# Altium PCB MEGAphone.PcbDoc (part 1 of 5) (continued)
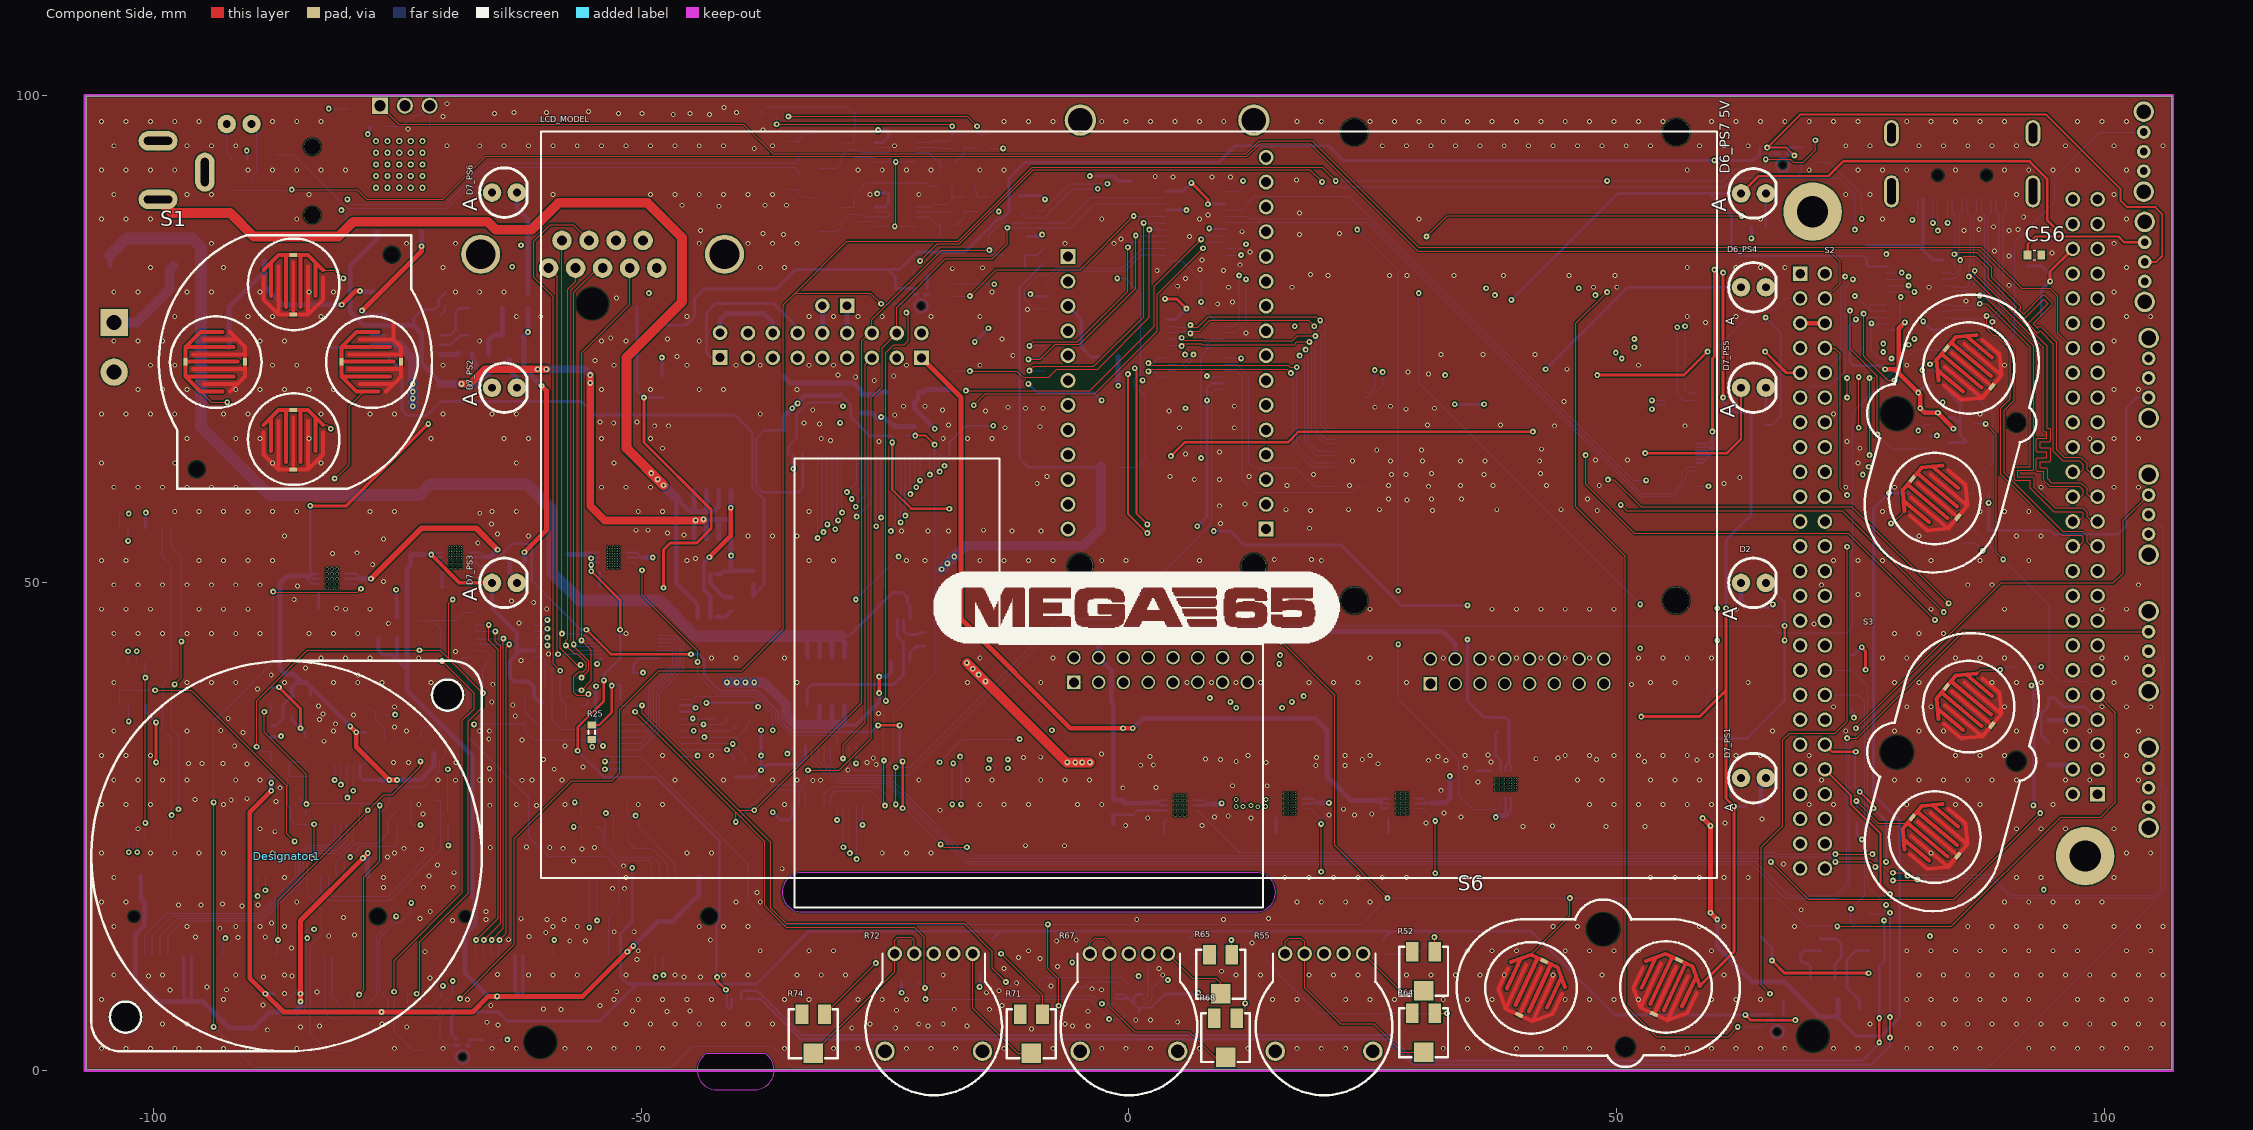
[diagram p0: Component Side view]
## Components (designator, comment, footprint, x,y, rotation, side; value= is the part's Value field where it differs from the comment) (continued)
C52 "100nF" "0603_CAP UF HD" 92.8,80 r0 bottom
C53 "100nF" "0603_CAP UF HD" 74.9,84.6 r180 bottom
C54 "100nF" "0603_CAP UF HD" 74.925,82.425 r180 bottom
C55 "100nF" "0603_CAP UF HD" 92.1,81.775 r90 bottom
C56 "100nF" "0603_CAP UF HD" 92.8,83.6 r0 top
C57 "100nF" "0603_CAP UF HD" -70,79.1 r90 bottom
C58 "220nF" "0603_CAP UF HD" -67.6,72.055 r0 bottom
C59 "1uF" "0603_CAP UF HD" -20.907,44.215 r270 bottom
C60 "10uF" "0603_CAP UF HD" -23.407,47.883 r180 bottom
C61 "100nF" "0603_CAP UF HD" -72.3,96.8 r180 bottom
CM1 "Raspberry Pi Compute Module 4" CM4-F40C-100DS-0.4v_1.5mm_0mm 39.6,72.2 r0 bottom locked
D1_M1 "BAV170" SOT-23 -85.09,29.062 r0 bottom (schematic designator D1)
D1_M2 "BAV170" SOT-23 -71.612,43.942 r270 bottom (schematic designator D1)
D2 "#NAME?" "LED 3mm Red" 64,50 r180 top locked
D3 "#NAME?" "LED 3mm Red" -91.186,97.028 r180 bottom
D4 "MBR0540" ONSC-SOD-123-2-425-04_V -23.225,69.551 r0 bottom
D5 "MM3Z24VT1G" ONSC-SOD-323-2-477-02_V -21.955,67.138 r90 bottom
D6_PS4 "#NAME?" "LED 3mm Red" 64,80.3 r180 top (schematic designator D6)
"D6_PS7 5V" "#NAME?" "LED 3mm Red" 64.008,89.916 r180 top (schematic designator D6)
D7_PS1 "#NAME?" "LED 3mm Red" 64,30 r180 top locked (schematic designator D7)
D7_PS2 "#NAME?" "LED 3mm Red" -64,70 r180 top locked (schematic designator D7)
D7_PS3 "#NAME?" "LED 3mm Red" -64,50 r180 top locked (schematic designator D7)
D7_PS5 "#NAME?" "LED 3mm Red" 64,70 r180 top locked (schematic designator D7)
D7_PS6 "#NAME?" "LED 3mm Red" -64,90 r180 top locked (schematic designator D7)
D8 "BAV170" SOT-23 73.787,6.35 r90 bottom
D9 "SB1045" FP-95570-MFG -89.64,85.765 r180 bottom
D10 "SB1045" FP-95570-MFG -74.7,80.9 r90 bottom
D11 "SB1045" FP-95570-MFG -1.82,64.63 r180 bottom
D12 "SB1045" FP-95570-MFG -2.1,75.96 r180 bottom
D13 "5V Zener" ONSC-SMA-FL-2-403AA-01_V 0.24,93.305 r90 bottom
Designator1 "Comment" Speaker -86.331,22 r90 top locked
DS1 "LED" 3.2X1.6X1.1 -65.965,75.4 r180 bottom
DS2 "LED" 3.2X1.6X1.1 -65.965,78.15 r180 bottom
ESP1 "Header 8X2" HDR2X8 -21.26,73.06 r180 bottom
F1 "10A" "FUSE OMF125" -101.168,82.498 r180 bottom
F2_FA "PTC" "0603-RESISTOR HD" -33.851,91.094 r90 bottom (schematic designator F2)
F2_FB "PTC" "0603-RESISTOR HD" -33.851,94.523 r270 bottom (schematic designator F2)
J1_M1 "uSIM Card" "CONNECTOR MSIM MOLEX 1046421610" -98.044,30.192 r270 bottom (schematic designator J1)
J1_M2 "uSIM Card" "CONNECTOR MSIM MOLEX 1046421610" -98.104,48.367 r270 bottom locked (schematic designator J1)
J2 "SJ-43515TS-SMT" "SOCKET 3.5 TRRS CUI_SJ-43515TS-SMT" -83.7,94.7 r270 bottom
J3 "D Connector 9" "DB9 Right Angle Through-Hole Male" -48.393,82.26 r180 bottom
J4 "HDMI Connector" A35071TR-ND 85.4,94.4 r0 bottom locked
L1 "Inductor" TDK-SLF-6025-2_V -35.4,68.408 r90 bottom value=10uH
L2_PS4 "Inductor" 252012 5.002,32.506 r180 bottom value=1uH (schematic designator L2)
"L2_PS7 5V" "Inductor" 252012 44.102,29.288 r90 bottom value=1uH (schematic designator L2)
L3_PS1 "Inductor" 252012 16.483,32.726 r180 bottom value=1uH (schematic designator L3)
L3_PS2 "Inductor" 252012 -81.661,55.753 r180 bottom value=1uH (schematic designator L3)
L3_PS3 "Inductor" 252012 -69,57.956 r180 bottom value=1uH (schematic designator L3)
L3_PS5 "Inductor" 252012 -52.832,57.934 r180 bottom value=1uH (schematic designator L3)
L3_PS6 "Inductor" 252012 27.969,32.731 r180 bottom value=1uH (schematic designator L3)
L4 "12uH" WE-PD-L -87.26,74.1 r0 bottom
LCD_MODEL "Comment" LCD 0,58 r0 top locked
LS1 "SPEAKER" HDR1X2 -28.88,78.392 r180 bottom
LS2 "Speaker" HDR1X2 -41.9,73.1 r90 bottom
M3 "AOD4185" FP-C04-189-MFG -74.786,90.477 r180 bottom
P1 "EXT_PWR" "DCPOWER - P0620" -99.5,89.3 r0 bottom
P3 "Digitiser Jumper" "CONNECTOR FPC MOLEX 51281-0694" -40.461,7.366 r0 bottom
Q1_M1 "MUN5133T1G" "SC70-3 (SOT-323)" -77.216,34.036 r90 bottom (schematic designator Q1)
Q1_M2 "MUN5133T1G" "SC70-3 (SOT-323)" -60.958,38.354 r270 bottom (schematic designator Q1)
Q2_M1 "MUN5233T1G" "SC70-3 (SOT-323)" -77.216,36.576 r90 bottom (schematic designator Q2)
Q2_M2 "MUN5233T1G" "SC70-3 (SOT-323)" -60.96,35.56 r270 bottom (schematic designator Q2)
Q3 "N-MOSFET_S08" SOIC-8-H_SLDR -31.065,39.9 r90 bottom locked
Q4 "N-MOSFET_S08" SOIC-8-H_SLDR -42.672,56.983 r270 bottom locked
Q5 "BSS138LT3G" SOT-23 60.2,35.2 r0 bottom
Q6 "BSS138LT3G" SOT-23 -90.879,91.165 r90 bottom
Q7 "MUN5133T1G" "SC70-3 (SOT-323)" 83.058,66.929 r90 bottom
Q8 "MUN5133T1G" "SC70-3 (SOT-323)" 83.058,64.389 r90 bottom
Q9 "MUN5133T1G" "SC70-3 (SOT-323)" 83.058,69.535 r90 bottom
Q10 "MUN5233T1G" "SC70-3 (SOT-323)" 86.487,65.405 r180 bottom
Q11 "MUN5233T1G" "SC70-3 (SOT-323)" -9.779,7.62 r0 bottom
Q12 "MUN5233T1G" "SC70-3 (SOT-323)" -6.081,7.62 r0 bottom
R1_M1 "15k" "0603-RESISTOR HD" -74.295,25.269 r0 bottom (schematic designator R1)
R1_M2 "15k" "0603-RESISTOR HD" -52.07,26.157 r180 bottom (schematic designator R1)
R2_M1 "22R" "0603-RESISTOR HD" -74.299,26.547 r180 bottom (schematic designator R2)
R2_M2 "22R" "0603-RESISTOR HD" -52.07,23.876 r0 bottom (schematic designator R2)
R3_M1 "22R" "0603-RESISTOR HD" -70.485,24.003 r180 bottom (schematic designator R3)
R3_M2 "22R" "0603-RESISTOR HD" -55.31,26.157 r0 bottom (schematic designator R3)
R4_M1 "22R" "0603-RESISTOR HD" -70.485,27.813 r180 bottom (schematic designator R4)
R4_M2 "22R" "0603-RESISTOR HD" -55.326,25.019 r0 bottom (schematic designator R4)
R5_M1 "10k" "0603-RESISTOR HD" -72.5,33.3 r270 bottom (schematic designator R5)
R5_M2 "10k" "0603-RESISTOR HD" -66.95,39.7 r180 bottom (schematic designator R5)
R6_M1 "10k" "0603-RESISTOR HD" -85.09,26.195 r180 bottom (schematic designator R6)
R6_M2 "10k" "0603-RESISTOR HD" -69.342,46.863 r270 bottom (schematic designator R6)
R7_M1 "100k" "0603-RESISTOR HD" -84.328,32.387 r90 bottom (schematic designator R7)
R7_M2 "100k" "0603-RESISTOR HD" -72.771,46.863 r90 bottom (schematic designator R7)
R8 "100k" "0603-RESISTOR HD" 93.5,33.624 r0 bottom
R9 "100k" "0603-RESISTOR HD" 93.5,38.224 r0 bottom
R10 "100k" "0603-RESISTOR HD" 93.5,35.924 r0 bottom
R11 "100k" "0603-RESISTOR HD" 93.5,31.324 r0 bottom
R12 "10k" "0603-RESISTOR HD" 74.041,41.849 r270 bottom
R13 "10k" "0603-RESISTOR HD" 74.041,37.719 r90 bottom
R14 "220R" "0603-RESISTOR HD" 64.008,47.498 r180 bottom
R15 "220R" "0603-RESISTOR HD" -91.141,93.428 r180 bottom
R16_FA "0R" "0603-RESISTOR HD" -18.103,88.808 r270 bottom (schematic designator R16)
R16_FB "0R" "0603-RESISTOR HD" -18.103,95.285 r270 bottom (schematic designator R16)
R17_FA "1k3" "0603-RESISTOR HD" -14.305,88.808 r270 bottom (schematic designator R17)
R17_FB "1k3" "0603-RESISTOR HD" -14.293,95.285 r270 bottom (schematic designator R17)
R18_FA "10k" "0603-RESISTOR HD" -15.526,88.796 r270 bottom (schematic designator R18)
R18_FB "10k" "0603-RESISTOR HD" -15.563,95.285 r270 bottom (schematic designator R18)
R19_FA "2k" "0603-RESISTOR HD" -15.055,90.713 r0 bottom (schematic designator R19)
R19_FB "2k" "0603-RESISTOR HD" -33.528,97.79 r0 bottom (schematic designator R19)
R20_FA "10k7" "0603-RESISTOR HD" -18.611,86.776 r0 bottom (schematic designator R20)
R20_FB "10k7" "0603-RESISTOR HD" -18.611,93.253 r0 bottom (schematic designator R20)
R21_FA "26k1" "0603-RESISTOR HD" -18.738,90.713 r0 bottom (schematic designator R21)
R21_FB "26k1" "0603-RESISTOR HD" -36.83,97.79 r0 bottom (schematic designator R21)
R22_FA "26k1" "0603-RESISTOR HD" -28.136,87.792 r270 bottom (schematic designator R22)
R22_FB "26k1" "0603-RESISTOR HD" -28.136,94.396 r270 bottom (schematic designator R22)
R23_FA "2k" "0603-RESISTOR HD" -34.994,91.094 r90 bottom (schematic designator R23)
R23_FB "2k" "0603-RESISTOR HD" -34.994,94.523 r270 bottom (schematic designator R23)
R24_FA "10k DNL" "0603-RESISTOR HD" -19.373,88.808 r90 bottom (schematic designator R24)
R24_FB "10k DNL" "0603-RESISTOR HD" -19.366,95.285 r90 bottom (schematic designator R24)
R25 "10k" "0603-RESISTOR HD" -55.05,34.686 r90 top
R26 "10k" "0603-RESISTOR HD" -42.278,36.957 r270 bottom
R27 "10k" "0603-RESISTOR HD" -41.148,36.957 r270 bottom
R28 "10k" "0603-RESISTOR HD" -40.005,36.957 r270 bottom
R29 "10k" "0603-RESISTOR HD" -38.862,36.957 r270 bottom
R30 "10k" "0603-RESISTOR HD" -39.301,30.873 r90 bottom
R31 "10k" "0603-RESISTOR HD" -40.444,30.873 r90 bottom
R32 "10k" "0603-RESISTOR HD" 92,41.4 r180 bottom
R33 "10k" "0603-RESISTOR HD" 74.6,26.2 r90 bottom
R34 "10k" "0603-RESISTOR HD" -57.531,39.004 r0 bottom
R35 "10k" "0603-RESISTOR HD" -57.531,40.3 r0 bottom
R36 "10k" "0603-RESISTOR HD" -56.926,37.454 r0 bottom
R37 "10k" "0603-RESISTOR HD" -57.531,41.6 r0 bottom
R38 "10k" "0603-RESISTOR HD" -56.926,35.926 r0 bottom
R39 "220R" "0603-RESISTOR HD" 66.43,7.112 r0 bottom
R40 "220R" "0603-RESISTOR HD" -65.405,3.197 r180 bottom
R41 "220R" "0603-RESISTOR HD" 70.358,93.853 r90 bottom
R42 "220R" "0603-RESISTOR HD" 69,93.853 r90 bottom
R43 "220R" "0603-RESISTOR HD" -21.256,81.567 r0 bottom
R44 "10k" "0603-RESISTOR HD" 87.35,59.21 r180 bottom
R45 "10k" "0603-RESISTOR HD" 87.35,55.4 r180 bottom
R46 "12R" "0805 Reflow" -24.114,67.138 r90 bottom
R47_PS4 "1M24" "0603-RESISTOR HD" -1.6,26.982 r270 bottom (schematic designator R47)
"R47_PS7 5V" "1M24" "0603-RESISTOR HD" 37.74,35.477 r270 bottom (schematic designator R47)
R48_PS4 "137k" "0603-RESISTOR HD" -1.6,24.47 r270 bottom (schematic designator R48)
"R48_PS7 5V" "137k" "0603-RESISTOR HD" 36.851,33.415 r180 bottom (schematic designator R48)
R49_PS4 "220R" "0603-RESISTOR HD" 64.5,66.2 r180 bottom (schematic designator R49)
"R49_PS7 5V" "220R" "0603-RESISTOR HD" 64.516,86.487 r180 bottom (schematic designator R49)
R50_PS1 "220R" "0603-RESISTOR HD" 64.008,27.13 r180 bottom (schematic designator R50)
R50_PS2 "220R" "0603-RESISTOR HD" -62.73,72.91 r0 bottom (schematic designator R50)
R50_PS3 "220R" "0603-RESISTOR HD" -62.705,52.197 r0 bottom (schematic designator R50)
R50_PS5 "220R" "0603-RESISTOR HD" 64.516,67.437 r180 bottom (schematic designator R50)
R50_PS6 "220R" "0603-RESISTOR HD" -61.6,78.9 r270 bottom (schematic designator R50)
R51 "1k" "0603-RESISTOR HD" 26.1,12.75 r270 bottom
R52 "RPot SM" POT4MM-2 30.2,10.2 r270 top
R53 "10k" "0603-RESISTOR HD" -22.55,9.1 r0 bottom
R54 "10k" "0603-RESISTOR HD" -14.498,9.9 r0 bottom
R55 "50k" "POT 10P2VF-D-141Y" 20,12 r180 top locked
R56 "1k" "0603-RESISTOR HD" 6.2,12.75 r270 bottom
R57 "178kΩ" 1608[0603] -38.5,50.547 r90 bottom
R58 "2kΩ" 1608[0603] -65.627,72.711 r270 bottom
R59 "45.3kΩ" 1608[0603] -38.5,48.018 r90 bottom
R60 "40mΩ" "0603-RESISTOR HD" -78.6,74.9 r90 bottom
R61 "120Ω" 1608[0603] -67.992,73.543 r180 bottom
R62 "220R" "0603-RESISTOR HD" -77,96.8 r0 bottom
R63 "500KΩ" "0603-RESISTOR HD" -8.8,83.45 r90 bottom
R64 "20K" POT4MM-2 30.2,3.9 r270 top
R65 "20K" POT4MM-2 9.4,9.9 r270 top locked
R66 "1k" "0603-RESISTOR HD" 13.347,12 r180 bottom
R67 "50k" "POT 10P2VF-D-141Y" 0,12 r180 top locked
R68 "20K" POT4MM-2 9.9,3.4 r270 top
R69 "1k" "0603-RESISTOR HD" -6.592,12 r180 bottom
R70 "1k" "0603-RESISTOR HD" -13.97,12.75 r270 bottom
R71 "20K" POT4MM-2 -10,3.8 r270 top
R72 "50k" "POT 10P2VF-D-141Y" -20,12 r180 top locked
R73 "1k" "0603-RESISTOR HD" 74.3,10 r0 bottom
R74 "RPot SM" POT4MM-2 -32.35,3.8 r270 top
R75 "1k" "0603-RESISTOR HD" -26.682,12 r180 bottom
R76 "10k" "0603-RESISTOR HD" -23.5,65.1 r0 bottom
R77 "500KΩ" "0603-RESISTOR HD" -11.4,82.3 r180 bottom
R78 "10k" "0603-RESISTOR HD" 76.125,73 r270 bottom
R79 "10k" "0603-RESISTOR HD" 74.925,73 r270 bottom
R80 "10k" "0603-RESISTOR HD" -11.2,88.85 r270 bottom
R81 "10k" "0603-RESISTOR HD" -9.5,88.95 r270 bottom
RF1 "RFD900" RFD900 -5.64,39.8 r180 bottom
RF2 "RFD900" RFD900 30.9,39.66 r180 bottom locked
S1 "DPAD" "DPAD Gameboy V2" -85.534,72.644 r0 top locked
S2 "Button" "Buttons Gameboy v2"#1 84.328,65.3 r345 top
S3 "Button" "Buttons Gameboy v2"#2 84.328,30.603 r345 top locked
S4 "SW-SPDT" "Switch SPDT OS102011MA1Q" 104.5,71 r270 bottom locked
S5 "SW-SPDT" "Switch SPDT OS102011MA1Q" 104.5,57 r270 bottom locked
S6 "Button" "Buttons Gameboy v2"#3 48.092,8.531 r270 top
S7 "SW-SPDT" "Switch SPDT OS102011MA1Q" 104.5,43 r270 bottom locked
S8 "SW-SPDT" "Switch SPDT OS102011MA1Q" 104.1,82.9 r270 bottom
S9 "SW-SPDT" "Switch SPDT OS102011MA1Q" 104.5,29 r270 bottom locked
S10 "SW-SPDT" "Switch SPDT OS102011MA1Q" 104,94.2 r270 bottom
U1_M1 "4G_Modem" "CONNECTOR MINI PCIE MOLEX_67910001" -72.948,10 r180 bottom locked (schematic designator U1)
U1_M2 "4G_Modem" "CONNECTOR MINI PCIE MOLEX_67910001" -39,10 r180 bottom locked (schematic designator U1)
U2_M1 "TXB0106PWR" TSSOP-16 -83.8,4.4 r180 bottom (schematic designator U2)
U2_M2 "TXB0106PWR" TSSOP-16 -75.1,4.4 r180 bottom (schematic designator U2)
U3_M1 "MIC5504" SOT-23-5 -84.836,37.338 r0 bottom (schematic designator U3)
U3_M2 "MIC5504" SOT-23-5 -75.954,45.394 r180 bottom (schematic designator U3)
U4_M1 "TXB0106PWR" TSSOP-16 -80.432,28.319 r90 bottom (schematic designator U4)
U4_M2 "TXB0106PWR" TSSOP-16 -64.008,44.704 r0 bottom (schematic designator U4)
U5 "AMC1203PSA" AMC1203 -48.494,74.754 r270 bottom
U7 "CN3791" SSOP10 -73.382,75.4 r270 bottom
U8 "LM74610-Q1" TI-DGK8_V -23.407,44.12 r90 bottom
U9 "TE0725" "TRENZ TE-0725" 98,22 r180 bottom locked
U10 "S70FL01GS" S70FL01GS -13.2,76.2 r180 bottom
U11_FA "AD8592ARMZ-REEL" ADI-RM-10_M -23.945,87.538 r180 bottom (schematic designator U11)
U11_FB "AD8592ARMZ-REEL" ADI-RM-10_M -23.945,94.142 r180 bottom (schematic designator U11)
U12 "PCA9535" PW0024A_M -49.02,34.522 r180 bottom locked
U13 "PCA9535" PW0024A_M 6.85,86.575 r180 bottom
U14 "PCA9535" PW0024A_M -30.88,30.228 r270 bottom locked
U15 "SN74LVC245APWT" DGV20_M -51.155,44.091 r0 bottom
U16 "SPW0690LM4H" "MICROPHONE MEMS SPW0690LM4H-1"#1 66.43,4 r180 bottom
U17 "SPW0690LM4H" "MICROPHONE MEMS SPW0690LM4H-1"#2 -68.286,1.419 r180 bottom
U18 "SPW0690LM4H" "MICROPHONE MEMS SPW0690LM4H-1"#3 67,92.837 r180 bottom
U19 "SPW0690LM4H" "MICROPHONE MEMS SPW0690LM4H-1"#1 -21.299,78.392 r180 bottom
U20 "SN74HC74" SOIC-14 82.7,55.4 r180 bottom
U21 "FAN5333BSX" SOT-23-5 -28.5,68.349 r270 bottom
U22_PS4 "TPS63020DSJT" DSJ14-4000X1580TP_V 5.235,27.2 r0 bottom (schematic designator U22)
"U22_PS7 5V" "TPS63020DSJT" DSJ14-4000X1580TP_V 38.617,29.348 r270 bottom (schematic designator U22)
U23_PS1 "TPS63021" DSJ14-4000X1580TP_V 16.483,27.392 r0 bottom (schematic designator U23)
U23_PS2 "TPS63021" DSJ14-4000X1580TP_V -81.661,50.419 r0 bottom (schematic designator U23)
U23_PS3 "TPS63021" DSJ14-4000X1580TP_V -69,52.622 r0 bottom (schematic designator U23)
U23_PS5 "TPS63021" DSJ14-4000X1580TP_V -52.832,52.6 r0 bottom (schematic designator U23)
U23_PS6 "TPS63021" DSJ14-4000X1580TP_V 27.969,27.397 r0 bottom (schematic designator U23)
U24 "LIS3DH" LGA-16_3x3x1mm 0,7.366 r270 bottom locked
U25 "PCF8563T/F4,112" SOIC-8-H_SLDR 73.351,14.224 r0 bottom
U26 "LCD Connector" "CONNECTOR FPC 40 PIN TE 4-1734839-0" -25.157,62.268 r0 bottom locked
U27 "TPD12S016PWR" SOP65P640X120-24N 80.5,79.5 r0 bottom
U28 "TPD12S016PWR" SOP65P640X120-24N 6.8,73.4 r180 bottom
U29 "FEATHER_M0_BASIC_PROTO" MODULE_FEATHER_M0_BASIC_PROTO 3.91,74.56 r270 bottom
U30 "TSOP38238" VISH-TSOP38238 -74.2,98.9 r0 bottom
U31 "MCP3021A1T-E/OT" SOT-23-OT5_M -11.65,84.556 r180 bottom
U32 "LM74610-Q1" TI-DGK8_V -43.221,48.682 r90 bottom
W1_M1 "M2_1V8" "0603-RESISTOR HD" -87.874,38.53 r270 bottom (schematic designator W1)
W1_M2 "M2_1V8" "0603-RESISTOR HD" -87.874,33.48 r270 bottom (schematic designator W1)
W2_M1 "M2_3V3" "0603-RESISTOR HD" -87.874,36.13 r90 bottom (schematic designator W2)
W2_M2 "M2_3V3" "0603-RESISTOR HD" -87.874,30.88 r90 bottom (schematic designator W2)
Y1 "32.7680KHZ" FC-135 71.1,9.5 r180 bottom

## Footprints (in the part's own frame and the unit in brackets; to place one, negate y for a bottom-side part, rotate by r counter-clockwise, add the part's x,y. Pads: shape width x height; smd on the part's side, far side on the other; paste and mask are expansions set on the pad)
3.2X1.6X1.1 [mm] "SMT LED; 2 Flat Leads"
  rect 1.5x1.5 smd: 1(-1.75,0) 2(1.75,0)
  silkscreen extent -2.9,-1.15 3.2,1.15
"0603-RESISTOR HD" [mm] "Chip Resistor, Body 1.6x0.8mm, IPC High Density"
  rect 0.7x0.9 smd: 1(-0.75,0) 2(0.75,0)
  silkscreen extent -0.18,-0.36 0.18,0.36, body extent -0.85,-0.48 0.85,0.48, height 0.6
"0603_CAP PF HD" [mm] "Chip Capacitor, Body 1.6x0.8mm, IPC High Density"
  rect 0.8x0.9 smd: 1(-0.7,0) 2(0.7,0)
  silkscreen extent -0.13,-0.51 0.13,0.51, body extent -0.87,-0.48 0.87,0.48, height 0.35
"0603_CAP UF HD" [mm] "Chip Capacitor, Body 1.6x0.8mm, IPC High Density"
  rect 0.8x0.9 smd: 1(-0.7,0) 2(0.7,0)
  silkscreen extent -0.13,-0.51 0.13,0.51, body extent -0.87,-0.48 0.87,0.48, height 0.8
"0805 Reflow" [mm]
  rect 0.8x1.3 smd: 1(-0.95,0) 2(0.95,0)
  silkscreen extent -0.3,-0.7 0.3,0.7, body extent -1,-0.63 1,0.63, height 0.5
"0805 Reflow Cap" [mm]
  rect 1x1.3 smd: 1(-1.15,0) 2(1.15,0)
  silkscreen extent -0.4,-0.7 0.4,0.7, body extent -1,-0.63 1,0.63, height 1
"1210-CAPACITOR UF" [mm] "Body 3.2 x 2.5 mm (LxW typ)"
  rect 2x2.7 smd: 1(-1.8,0) 2(1.8,0)
  silkscreen extent -0.3,-1.25 0.3,1.25, body extent -1.8,-1.3 1.8,1.3, height 2.5
1608[0603] [mm] "Chip Capacitor, Body 1.6x0.8mm, IPC High Density"
  rect 0.8x0.9 smd: 1(-0.7,0) 2(0.7,0)
  body extent -0.87,-0.48 0.87,0.48, height 1.3
252012 [mm] "SMD Power Inductor, 2-Leads, Body 2.5x2.0mm"
  rect 0.85x2 smd: 1(-0.825,0) 2(0.825,0)
  body extent -1.25,-1 1.25,1, height 1.18
A35071TR-ND [mm]
  oval 0.3x2.6 smd: 1(4.5,5.035) 2(4,5.035) 3(3.5,5.035) 4(3,5.035) 5(2.5,5.035) 6(2,5.035) 7(1.5,5.035) 8(1,5.035) 9(0.5,5.035) 10(0,5.035) 11(-0.5,5.035) 12(-1,5.035) 13(-1.5,5.035) 14(-2,5.035) 15(-2.5,5.035) 16(-3,5.035) 17(-3.5,5.035) 18(-4,5.035) 19(-4.5,5.035)
  oval 1.5x3.3 hole 0.9 slot 2.7 at 90 deg: H1(7.25,4.275) H3(-7.25,4.275)
  oval 1.5x2.7 hole 0.9 slot 2.1 at 90 deg: H2(7.25,-1.685) H4(-7.25,-1.685)
  round 0 hole 1.1 unplated: H5(2.5,2.625) H6(-2.5,2.625)
  silkscreen extent -7.5,-0.12 7.5,6.27, body extent -7.5,-5.83 7.5,6.17, height 6.08
ADI-RM-10_M [mm] "SOP, 10-Leads, Body 3x3mm, Pitch 0.5mm, IPC Low Density"
  oval 2.1x0.3 smd: 1(-2.1,1) 2(-2.1,0.5) 3(-2.1,0) 4(-2.1,-0.5) 5(-2.1,-1) 6(2.1,-1) 7(2.1,-0.5) 8(2.1,0) 9(2.1,0.5) 10(2.1,1)
  silkscreen extent -2.23,-1.55 0.65,1.82, body extent -1.55,-1.55 1.55,1.55, height 1.1
AMC1203 [mm] "SOP, 8-Leads, Body 5.27x5.30mm, Pitch 1.27mm, IPC Medium Density"
  oval 1.7x0.65 smd: 1(-3.55,1.905) 2(-3.55,0.635) 3(-3.55,-0.635) 4(-3.55,-1.905) 5(3.55,-1.905) 6(3.55,-0.635) 7(3.55,0.635) 8(3.55,1.905)
  silkscreen extent -3.67,-2.65 2.3,2.9, body extent -3.95,-2.65 3.95,2.65, height 2
"Buttons Gameboy v2"#1 [mil]
  rect 32x16 smd rot 65 paste-118.11: 1(-110.57,326.56) 2(-106.76,-217.51) 3(110.75,-318.94) 4(106.94,225.13)
  round 0 hole 129.92: 27(-235,20)
  round 0 hole 74.8: ""(240,110)
  Component Side lines w16: -103.1,-351.62 -117.61,-311.75 ; -75.91,-364.3 5.66,-402.34 85.39,-373.31 ; -91.34,-290.9 85.39,-373.31 ; -79.57,-230.18 110.75,-318.94 ; 4.74,-368.81 -117.61,-311.75 ; -40.62,-182.15 136.11,-264.56 ; -106.91,192.45 -121.42,232.32 ; -1.67,-134.11 -41.54,-148.62 ; -79.72,179.77 1.85,141.73 9.2,144.41 81.58,170.76 ; -95.15,253.17 81.58,170.76 ; -110.44,326.84 -97.9,353.75 ; 70.88,-333.44 -119.44,-244.7 ; 25.52,-146.79 95.87,-179.59 107.09,-184.82 136.11,-264.56 ; -83.38,313.88 106.94,225.13 ; 96.24,-279.07 -94.08,-190.32 ; 80.81,-205.67 -41.54,-148.62 ; 0.93,175.26 -121.42,232.32 ; -44.43,361.92 132.3,279.51 ; -5.48,409.96 -45.35,395.45 ; 67.07,210.62 -123.25,299.37 ; 21.71,397.28 103.28,359.25 132.3,279.51 ; 92.43,265 -97.9,353.75 ; 77,338.4 -45.35,395.45 ; -117.61,-311.75 -122.19,-299.17 -132.12,-271.88 -119.44,-244.7 ; -119.44,-244.7 -106.76,-217.51 -94.08,-190.32 ; -94.08,-190.32 -81.41,-163.13 -41.54,-148.62 ; -121.42,232.32 -135.93,272.18 -123.25,299.37 ; -123.25,299.37 -110.58,326.55 ; -110.57,326.56 -110.57,326.56 ; -110.58,326.55 -110.57,326.56 ; 85.39,-373.31 110.75,-318.94 ; 85.39,-373.31 110.75,-318.94 ; -97.9,353.75 -85.22,380.94 -45.35,395.45 ; 110.75,-318.94 122.89,-292.89 136.11,-264.56 ; 81.58,170.76 106.94,225.13 ; 106.94,225.13 132.3,279.51
  silkscreen extent -355,-571 320,571
"Buttons Gameboy v2"#2 [mil]
  rect 32x16 smd rot 65 paste-118.11: 1(-110.57,326.56) 2(-106.76,-217.51) 3(110.75,-318.94) 4(106.94,225.13)
  round 0 hole 129.92: 27(-235,20)
  round 0 hole 74.8: ""(240,110)
  Component Side lines w16: -103.1,-351.62 -117.61,-311.75 ; -75.91,-364.3 5.66,-402.34 85.39,-373.31 ; -91.34,-290.9 85.39,-373.31 ; -79.57,-230.19 110.75,-318.94 ; 4.74,-368.81 -117.61,-311.75 ; -40.62,-182.15 136.11,-264.56 ; -106.91,192.45 -121.42,232.32 ; -1.67,-134.11 -41.54,-148.62 ; -79.72,179.77 1.85,141.73 9.2,144.41 81.58,170.75 ; -95.15,253.17 81.58,170.75 ; 70.88,-333.44 -119.44,-244.7 ; 25.52,-146.79 95.87,-179.59 107.09,-184.82 136.11,-264.56 ; -83.38,313.88 106.94,225.13 ; 96.24,-279.07 -94.08,-190.32 ; 80.81,-205.67 -41.54,-148.62 ; 0.93,175.26 -121.42,232.32 ; -44.43,361.92 132.3,279.51 ; -5.48,409.96 -45.35,395.45 ; 67.07,210.62 -123.25,299.37 ; 21.71,397.28 103.28,359.25 132.3,279.51 ; 92.43,265 -97.9,353.75 ; 77,338.4 -45.35,395.45 ; -117.61,-311.75 -122.19,-299.17 -132.12,-271.88 -119.44,-244.7 ; -119.44,-244.7 -106.76,-217.51 -94.08,-190.32 ; -94.08,-190.32 -81.41,-163.13 -41.54,-148.62 ; -121.42,232.32 -135.93,272.18 -123.25,299.37 ; -123.25,299.37 -110.57,326.56 ; -110.57,326.56 -97.9,353.75 ; -110.57,326.56 -110.57,326.56 ; 85.39,-373.31 110.75,-318.94 ; 85.39,-373.31 110.75,-318.94 ; -97.9,353.75 -85.22,380.94 -45.35,395.45 ; 110.75,-318.94 136.11,-264.56 ; 81.58,170.75 106.94,225.13 ; 106.94,225.13 132.3,279.51
  silkscreen extent -355,-571 320,571
"Buttons Gameboy v2"#3 [mil]
  rect 32x16 smd rot 65 paste-118.11: 1(-110.57,326.56) 2(-106.76,-217.51) 3(110.75,-318.93) 4(106.94,225.13)
  round 0 hole 129.92: 27(-235,20)
  round 0 hole 74.8: ""(240,110)
  Component Side lines w16: 4.74,-368.81 -26.95,-354.03 -54.92,-340.98 -87.09,-325.98 -117.61,-311.75 ; -75.91,-364.3 5.66,-402.33 85.39,-373.31 ; -103.1,-351.62 -106.97,-340.98 -112.43,-325.98 -117.61,-311.75 ; 70.88,-333.44 -119.44,-244.7 ; -91.34,-290.9 -80.44,-295.98 -31.34,-318.88 85.39,-373.31 ; 96.24,-279.07 -94.08,-190.32 ; -79.57,-230.18 110.75,-318.93 ; 80.81,-205.67 -41.54,-148.62 ; -40.62,-182.15 136.11,-264.55 ; 25.52,-146.78 95.87,-179.59 107.09,-184.82 136.11,-264.55 ; -1.67,-134.11 -41.54,-148.62 ; 0.93,175.26 -121.42,232.32 ; -79.72,179.77 1.85,141.73 9.2,144.41 81.58,170.76 ; -106.91,192.45 -121.42,232.32 ; 67.07,210.62 -123.25,299.37 ; -95.15,253.17 81.58,170.76 ; 92.43,265 -97.9,353.75 ; -83.39,313.88 106.94,225.13 ; 77,338.4 42.57,354.46 -45.35,395.45 ; -44.43,361.92 132.3,279.51 ; 21.71,397.28 103.28,359.25 132.3,279.51 ; -5.48,409.96 -6.65,409.54 -45.35,395.45 ; 85.39,-373.31 110.75,-318.93 ; 85.39,-373.31 110.75,-318.93 ; 110.75,-318.93 136.11,-264.55 ; -117.61,-311.75 -122.19,-299.17 -132.12,-271.88 -119.44,-244.7 ; -119.44,-244.7 -106.76,-217.51 -94.08,-190.32 ; -94.08,-190.32 -81.41,-163.13 -41.54,-148.62 ; 81.58,170.76 106.94,225.13 ; 106.94,225.13 132.3,279.51 ; -121.42,232.32 -135.93,272.18 -123.25,299.37 ; -123.25,299.37 -110.57,326.56 ; -110.57,326.56 -97.9,353.75 ; -110.57,326.56 -110.57,326.56 ; -97.9,353.75 -85.22,380.94 -45.35,395.45
  silkscreen extent -355,-571 320,571
"CAP Case D Tantalum" [mm] "Molded Capacitor, 2-Leads, Body 7.50x4.5mm"
  rect 2x3 smd: 1(-3,0) 2(3,0)
  silkscreen extent -4.67,-2.25 3.75,2.37, body extent -3.97,-2.25 3.97,2.25, height 3.1
"CAP SMD 10.5D 5.5H" [mm]
  rect 4.6x2.5 smd: 1(4.8,0) 2(-4.8,0)
  silkscreen extent -5.4,-5.4 7.5,5.4, body extent -5.4,-5.4 5.4,5.4, height 5.5
CAPC0805(2012)100_N [mm] "Chip Capacitor, Body 2.0x1.2mm, Height 1.0mm, IPC Medium Density"
  rect 1.15x1.45 smd: 1(-0.9,0) 2(0.9,0)
  silkscreen extent -0.05,-0.63 0.05,0.62, body extent -1.1,-0.72 1.1,0.73, height 1
CM4-F40C-100DS-0.4v_1.5mm_0mm [mm] "DF40C-100DS-0.4v by Amornthep Phunsin"
  round 2.7 hole 2.7: 0(-16.5,-24) 0(-16.5,24) 0(16.5,-24) 0(16.5,24)
  rect 0.7x0.2 smd: 1(18.5,-7.3) 2(15.42,-7.3) 3(18.5,-6.9) 4(15.42,-6.9) 5(18.5,-6.5) 6(15.42,-6.5) 7(18.5,-6.1) 8(15.42,-6.1) 9(18.5,-5.7) 10(15.42,-5.7) 11(18.5,-5.3) 12(15.42,-5.3) 13(18.5,-4.9) 14(15.42,-4.9) 15(18.5,-4.5) 16(15.42,-4.5) 17(18.5,-4.1) 18(15.42,-4.1) 19(18.5,-3.7) 20(15.42,-3.7) 21(18.5,-3.3) 22(15.42,-3.3) 23(18.5,-2.9) 24(15.42,-2.9) 25(18.5,-2.5) 26(15.42,-2.5) 27(18.5,-2.1) 28(15.42,-2.1) 29(18.5,-1.7) 30(15.42,-1.7) 31(18.5,-1.3) 32(15.42,-1.3) 33(18.5,-0.9) 34(15.42,-0.9) 35(18.5,-0.5) 36(15.42,-0.5) 37(18.5,-0.1) 38(15.42,-0.1) 39(18.5,0.3) 40(15.42,0.3) 41(18.5,0.7) 42(15.42,0.7) 43(18.5,1.1) 44(15.42,1.1) 45(18.5,1.5) 46(15.42,1.5) 47(18.5,1.9) 48(15.42,1.9) 49(18.5,2.3) 50(15.42,2.3) 51(18.5,2.7) 52(15.42,2.7) 53(18.5,3.1) 54(15.42,3.1) 55(18.5,3.5) 56(15.42,3.5) 57(18.5,3.9) 58(15.42,3.9) 59(18.5,4.3) 60(15.42,4.3) 61(18.5,4.7) 62(15.42,4.7) 63(18.5,5.1) 64(15.42,5.1) 65(18.5,5.5) 66(15.42,5.5) 67(18.5,5.9) 68(15.42,5.9) 69(18.5,6.3) 70(15.42,6.3) 71(18.5,6.7) 72(15.42,6.7) 73(18.5,7.1) 74(15.42,7.1) 75(18.5,7.5) 76(15.42,7.5) 77(18.5,7.9) 78(15.42,7.9) 79(18.5,8.3) 80(15.42,8.3) 81(18.5,8.7) 82(15.42,8.7) 83(18.5,9.1) 84(15.42,9.1) 85(18.5,9.5) 86(15.42,9.5) 87(18.5,9.9) 88(15.42,9.9) 89(18.5,10.3) 90(15.42,10.3) 91(18.5,10.7) 92(15.42,10.7) 93(18.5,11.1) 94(15.42,11.1) 95(18.5,11.5) 96(15.42,11.5) 97(18.5,11.9) 98(15.42,11.9) 99(18.5,12.3) 100(15.42,12.3) 101(-15.42,-7.3) 102(-18.5,-7.3) 103(-15.42,-6.9) 104(-18.5,-6.9) 105(-15.42,-6.5) 106(-18.5,-6.5) 107(-15.42,-6.1) 108(-18.5,-6.1) 109(-15.42,-5.7) 110(-18.5,-5.7) 111(-15.42,-5.3) 112(-18.5,-5.3) 113(-15.42,-4.9) 114(-18.5,-4.9) 115(-15.42,-4.5) 116(-18.5,-4.5) 117(-15.42,-4.1) 118(-18.5,-4.1) 119(-15.42,-3.7) 120(-18.5,-3.7) 121(-15.42,-3.3) 122(-18.5,-3.3) 123(-15.42,-2.9) 124(-18.5,-2.9) 125(-15.42,-2.5) 126(-18.5,-2.5) 127(-15.42,-2.1) 128(-18.5,-2.1) 129(-15.42,-1.7) 130(-18.5,-1.7) 131(-15.42,-1.3) 132(-18.5,-1.3) 133(-15.42,-0.9) 134(-18.5,-0.9) 135(-15.42,-0.5) 136(-18.5,-0.5) 137(-15.42,-0.1) 138(-18.5,-0.1) 139(-15.42,0.3) 140(-18.5,0.3) 141(-15.42,0.7) 142(-18.5,0.7) 143(-15.42,1.1) 144(-18.5,1.1) 145(-15.42,1.5) 146(-18.5,1.5) 147(-15.42,1.9) 148(-18.5,1.9) 149(-15.42,2.3) 150(-18.5,2.3) 151(-15.42,2.7) 152(-18.5,2.7) 153(-15.42,3.1) 154(-18.5,3.1) 155(-15.42,3.5) 156(-18.5,3.5) 157(-15.42,3.9) 158(-18.5,3.9) 159(-15.42,4.3) 160(-18.5,4.3) 161(-15.42,4.7) 162(-18.5,4.7) 163(-15.42,5.1) 164(-18.5,5.1) 165(-15.42,5.5) 166(-18.5,5.5) 167(-15.42,5.9) 168(-18.5,5.9) 169(-15.42,6.3) 170(-18.5,6.3) 171(-15.42,6.7) 172(-18.5,6.7) 173(-15.42,7.1) 174(-18.5,7.1) 175(-15.42,7.5) 176(-18.5,7.5) 177(-15.42,7.9) 178(-18.5,7.9) 179(-15.42,8.3) 180(-18.5,8.3) 181(-15.42,8.7) 182(-18.5,8.7) 183(-15.42,9.1) 184(-18.5,9.1) 185(-15.42,9.5) 186(-18.5,9.5) 187(-15.42,9.9) 188(-18.5,9.9) 189(-15.42,10.3) 190(-18.5,10.3) 191(-15.42,10.7) 192(-18.5,10.7) 193(-15.42,11.1) 194(-18.5,11.1) 195(-15.42,11.5) 196(-18.5,11.5) 197(-15.42,11.9) 198(-18.5,11.9) 199(-15.42,12.3) 200(-18.5,12.3)
  silkscreen extent -20,-27.5 20,27.5, body extent -20,-27.5 20,27.5, height 5.15
"CONNECTOR FPC 40 PIN TE 4-1734839-0" [mm] "40 Position FPC Connector Contacts, Top 0.020\" (0.50mm) Surface Mount, Right Angle"
  rect 0.3x1.1 smd: 1(-9.75,-0.85) 2(-9.25,-0.85) 3(-8.75,-0.85) 4(-8.25,-0.85) 5(-7.75,-0.85) 6(-7.25,-0.85) 7(-6.75,-0.85) 8(-6.25,-0.85) 9(-5.75,-0.85) 10(-5.25,-0.85) 11(-4.75,-0.85) 12(-4.25,-0.85) 13(-3.75,-0.85) 14(-3.25,-0.85) 15(-2.75,-0.85) 16(-2.25,-0.85) 17(-1.75,-0.85) 18(-1.25,-0.85) 19(-0.75,-0.85) 20(-0.25,-0.85) 21(0.25,-0.85) 22(0.75,-0.85) 23(1.25,-0.85) 24(1.75,-0.85) 25(2.25,-0.85) 26(2.75,-0.85) 27(3.25,-0.85) 28(3.75,-0.85) 29(4.25,-0.85) 30(4.75,-0.85) 31(5.25,-0.85) 32(5.75,-0.85) 33(6.25,-0.85) 34(6.75,-0.85) 35(7.25,-0.85) 36(7.75,-0.85) 37(8.25,-0.85) 38(8.75,-0.85) 39(9.25,-0.85) 40(9.75,-0.85)
  rect 2.3x3.1 smd: S1(11.42,0.85) S2(-11.42,0.85)
  silkscreen extent -12.72,-1.85 12.71,3.55, body extent -12.71,-0.85 12.72,4.26, height 2.05
"CONNECTOR FPC MOLEX 51281-0694" [mm] "0.50mm Pitch Easy-On FFC/FPC Connector, Surface Mount, Right-Angle, Non-ZIF, Dual Contact Style, 1.20mm Mated Height, 6 Circuits, Gold (Au) Plating"
  rect 0.6x2.6 smd paste+0 mask+0: 0(-2.15,2.3) 0(2.15,2.3)
  rect 0.35x0.8 smd paste+0 mask+0: 1(1.25,0) 2(0.75,0) 3(0.25,0) 4(-0.25,0) 5(-0.75,0) 6(-1.25,0)
  silkscreen extent -2.55,-0.2 2.55,3.85, body extent -2.55,-0.2 2.55,3.85, height 1.2
"CONNECTOR MINI PCIE MOLEX_67910001" [mm] "CONN PCI EXP MINI FEMALE 52POS"
  rect 0.6x2.1 smd paste+0 mask+0: 1(4.676,1.778) 2(5.076,9.978) 3(5.476,1.778) 4(5.876,9.978) 5(6.276,1.778) 6(6.676,9.978) 7(7.076,1.778) 8(7.476,9.978) 9(7.876,1.778) 10(8.276,9.978) 11(8.676,1.778) 12(9.076,9.978) 13(9.476,1.778) 14(9.876,9.978) 15(10.276,1.778) 16(10.676,9.978) 17(14.326,1.778) 18(14.726,9.978) 19(15.126,1.778) 20(15.526,9.978) 21(15.926,1.778) 22(16.326,9.978) 23(16.726,1.778) 24(17.126,9.978) 25(17.526,1.778) 26(17.926,9.978) 27(18.326,1.778) 28(18.726,9.978) 29(19.126,1.778) 30(19.526,9.978) 31(19.926,1.778) 32(20.326,9.978) 33(20.726,1.778) 34(21.126,9.978) 35(21.526,1.778) 36(21.926,9.978) 37(22.326,1.778) 38(22.726,9.978) 39(23.126,1.778) 40(23.526,9.978) 41(23.926,1.778) 42(24.326,9.978) 43(24.726,1.778) 44(25.126,9.978) 45(25.526,1.778) 46(25.926,9.978) 47(26.326,1.778) 48(26.726,9.978) 49(27.126,1.778) 50(27.526,9.978) 51(27.926,1.778) 52(28.326,9.978)
  rect 2.3x3.2 smd paste+0 mask+0: S1(1.876,2.317) S2(31.176,2.317)
  rect 5.8x5.8 smd paste+0 mask+0: S3(4.426,53.867) S4(29.026,53.867)
  round 1 hole 1.6 unplated: ""(4.026,5.817)
  round 0.5 hole 1.1 unplated: ""(29.026,5.817)
  silkscreen extent 0.13,0.13 33.02,57.39, body extent 1.55,0.64 31.6,56.05, height 6.37
"CONNECTOR MSIM MOLEX 1046421610" [mm] "COMBO 2.10H PULLER TYPE  MICROSD/MICROSIM 8P/8P WITH S/W"
  rect 1.35x2.6 smd: 1(6.5,7.25) 25(-7.25,7.25)
  rect 1.35x0.58 smd: 2(6.5,5.34) 3(6.5,4.46) 4(6.5,3.58) 5(6.5,2.7) 6(6.5,1.82) 7(6.5,0.94) 8(6.5,0.06) 11(6.5,-4.5) 15(-7.25,-4.5) 18(-7.25,0.06) 19(-7.25,0.94) 20(-7.25,1.82) 21(-7.25,2.7) 22(-7.25,3.58) 23(-7.25,4.46) 24(-7.25,5.34)
  rect 1.35x1.34 smd: 9(6.5,-1.15) 17(-7.25,-1.15)
  rect 1.35x1.84 smd: 10(6.5,-2.99) 16(-7.25,-2.99)
  rect 1.7x0.7 smd: 12(6.325,-5.915)
  rect 1.35x1.8 smd: 13(6.5,-7.8) 14(-7.25,-7.8)
  silkscreen extent -7.25,-9.1 7.92,9.1, body extent -7.4,-9.12 6.7,9.13, height 2.1
"CONNECTOR PHOENIX 1757242" [mm] "HEADER, RIGHT ANGLE, 5.08MM, 2WAY"
  rect 2.8x2.8 hole 1.524: 1(-2.54,0)
  round 2.8 hole 1.524: 2(2.54,0)
  silkscreen extent -6.04,-10 6.21,2, body extent -6.08,-10 6.08,2, height 8.6
"DB9 Right Angle Through-Hole Male" [mm] "Assman WSW A-DS 09 A/KG-T2S"
  round 2 hole 1: 1(11.08,0) 2(8.31,0) 3(5.54,0) 4(2.77,0) 5(0,0) 6(9.707,2.84) 7(6.937,2.84) 8(4.167,2.84) 9(1.397,2.84)
  round 4 hole 3.05: ""(-6.955,1.42) ""(18.035,1.42)
  silkscreen extent -9.86,-1.58 20.95,10.92, body extent -9.82,-1.45 20.99,17.15, height 13.28
"DCPOWER - P0620" [mm] "2.1mm DC Socket Altronics part P0620"
  rrect100% 4x2 hole 0.8 slot 2.9 at 0 deg: 1(0,0) 3(0,-6)
  rrect100% 2x4 hole 0.8 slot 2.9 at 90 deg: 2(4.8,-2.8)
  silkscreen extent -4.5,-14.2 4.5,0, body extent -4.45,-14.4 4.95,0.2, height 11
DGV20_M [mm] "TSSOP, 20-Leads, Body 5x4.4mm, Pitch 0.4mm, IPC Low Density"
  oval 2x0.27 smd: 1(-2.9,1.8) 2(-2.9,1.4) 3(-2.9,1) 4(-2.9,0.6) 5(-2.9,0.2) 6(-2.9,-0.2) 7(-2.9,-0.6) 8(-2.9,-1) 9(-2.9,-1.4) 10(-2.9,-1.8) 11(2.9,-1.8) 12(2.9,-1.4) 13(2.9,-1) 14(2.9,-0.6) 15(2.9,-0.2) 16(2.9,0.2) 17(2.9,0.6) 18(2.9,1) 19(2.9,1.4) 20(2.9,1.8)
  silkscreen extent -3.02,-2.55 1.5,2.62, body extent -2.25,-2.55 2.25,2.55, height 1.2
"DPAD Gameboy V2" [mil]
  round 0 hole 62.99: 0(-393.7,-433.07) 0(393.7,433.07)
  rect 32x16 smd paste-118.11: 1(-4.26,430.84) 4(-4.26,-194.16) 5(-4.26,-434.16) 8(-4.26,190.84)
  rect 16x32 smd paste-118.11: 2(-439.26,0.84) 3(190.74,0.84) 6(430.74,0.84) 7(-199.26,0.84)
  Component Side lines w16: -409.26,-29.16 -250.1,-29.16 -208.1,-29.16 -199.26,-29.16 ; -409.26,30.84 -210.1,30.84 -199.26,30.84 ; -364.26,-89.16 -270.1,-89.16 -229.26,-89.16 ; -364.26,90.84 -229.26,90.84 ; -289.26,-119.16 -379.26,-119.16 -439.26,-59.16 ; -289.26,120.84 -379.26,120.84 -439.26,60.84 ; -259.26,-119.16 -249.68,-109.58 -229.26,-89.16 ; -259.26,120.84 -229.26,90.84 ; -244.26,-59.16 -439.26,-59.16 ; -244.26,60.84 -439.26,60.84 ; -229.26,0.84 -439.26,0.84 ; -124.26,-284.16 -124.26,-373.3 -124.26,-374.16 -64.26,-434.16 ; -124.26,-254.16 -94.26,-224.16 ; -124.26,340.84 -124.26,250.84 -90.68,217.26 -64.26,190.84 ; -124.26,370.84 -94.26,400.84 ; -94.26,-359.16 -94.26,-224.16 ; -94.26,265.84 -94.26,400.84 ; -64.26,-239.16 -64.26,-434.16 ; -64.26,385.84 -64.26,243.68 -64.26,190.84 ; -34.26,-404.16 -34.26,-194.16 ; -34.26,220.84 -34.26,430.84 ; -4.26,-224.16 -4.26,-434.16 ; -4.26,400.84 -4.26,191.7 -4.26,190.84 ; 25.74,-404.16 25.74,-194.16 ; 25.74,220.84 25.74,430.84 ; 55.74,-239.16 55.74,-434.16 ; 55.74,385.84 55.74,190.84 ; 85.74,-359.16 85.74,-224.16 ; 85.74,265.84 85.74,400.84 ; 115.74,-284.16 115.74,-374.16 55.74,-434.16 ; 115.74,-254.16 108.99,-247.41 100.9,-239.32 85.74,-224.16 ; 115.74,340.84 115.74,334.86 115.74,311.7 115.74,250.84 55.74,190.84 ; 115.74,370.84 85.74,400.84 ; 220.74,-29.16 430.74,-29.16 ; 220.74,30.84 409.9,30.84 430.74,30.84 ; 265.74,-89.16 400.74,-89.16 ; 265.74,90.84 400.74,90.84 ; 340.74,-119.16 300.57,-119.16 281.57,-119.16 269.9,-119.16 253.92,-119.16 250.74,-119.16 190.74,-59.16 ; 340.74,120.84 250.74,120.84 190.74,60.84 ; 370.74,-119.16 400.74,-89.16 ; 385.74,-59.16 269.9,-59.16 190.74,-59.16 ; 385.74,60.84 190.74,60.84 ; 400.74,0.84 190.74,0.84 ; 400.74,150.84 400.74,136.86 400.74,136.55 400.74,123.02 400.74,92.02 400.74,90.84 ; -439.26,-59.16 -439.26,0.84 ; -439.26,0.84 -439.26,60.84 ; -229.26,-89.16 -221.1,-81 -208.1,-68 -199.26,-59.16 -199.26,-29.16 ; -229.26,90.84 -199.26,60.84 -199.26,30.84 ; -199.26,-29.16 -199.26,-3.3 -199.26,-3.02 -199.26,0.84 -199.26,20 -199.26,30.84 ; -94.26,-224.16 -64.26,-194.16 -34.26,-194.16 ; -94.26,400.84 -64.26,430.84 -34.26,430.84 ; -64.26,-434.16 -4.26,-434.16 ; -64.26,190.84 -5.12,190.84 -4.26,190.84 ; -34.26,-194.16 -4.26,-194.16 25.74,-194.16 ; -34.26,430.84 -4.26,430.84 25.74,430.84 ; -4.26,-434.16 55.74,-434.16 ; -4.26,190.84 55.74,190.84 ; 25.74,-194.16 55.74,-194.16 85.74,-224.16 ; 25.74,430.84 55.74,430.84 85.74,400.84 ; 190.74,-59.16 190.74,0.84 ; 190.74,0.84 190.74,60.84 ; 400.74,-89.16 404.76,-85.14 407.83,-82.07 430.74,-59.16 430.74,-29.16 ; 400.74,90.84 430.74,60.84 430.74,51.68 430.74,30.84 ; 430.74,-29.16 430.74,-7.14 430.74,0.84 430.74,30.84
  silkscreen extent -546,-512 556,512